# Allegro board 20250806_UNOQ.brd (continued)
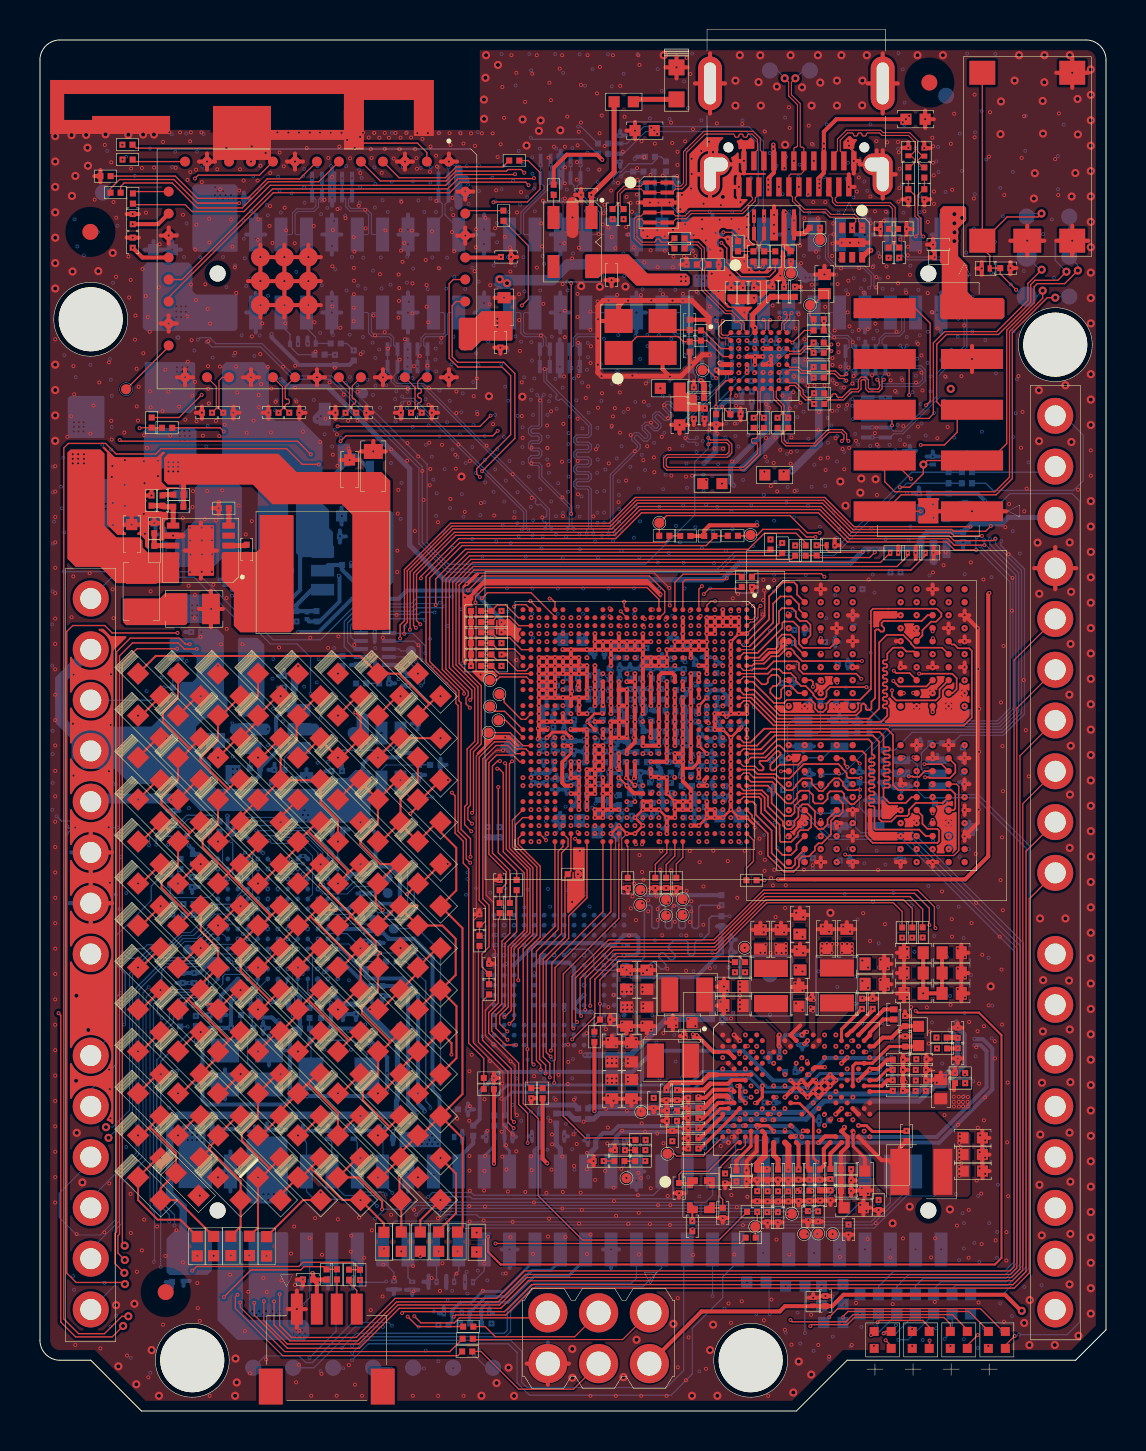
[diagram p0: board, top side]
## Routing (per net, layer and track width the routed paths; a pad name or vN(x,y) marks a point on that pad's centre or on a via; arc(x,y) is an arc through that point) (continued)
  S6 w0.064: v3(22.47,50.22) 26.26,50.22 26.34,50.3 26.34,50.89 26.52,51.07 29.93,51.07 v3(30.09,50.91)
MUX_DP_HPD: length 4.9
  TOP w0.066: SOC1.K1 31.77,41.45 32.18,41.86 34.99,41.86 R3028.2
MUX_DP_HPD_R: length 15.5
  TOP w0.066: R3028.1 35.77,41.88 39.1,41.88 v2(39.25,41.73)
  S3 w0.064: v2(39.25,41.73) 39.03,41.95 38.71,41.95 38.51,42.15 38.51,46.21 37.97,46.75 37.97,49.86 37.82,50.01 37.82,51.52 37.02,52.32 v2(36.98,52.32)
MUX_I2C_SCL_R: length 14
  TOP w0.066: R3014.2 35.51,43.78 TP3002.1 35.89,43.82 36.17,44.1 37.97,44.1 38.35,43.72 v2(38.8,43.72)
  S3 w0.064: v2(38.8,43.72) 38.8,46.23 38.15,46.88 38.15,49.9 37.97,50.08 37.97,51.63 37.02,52.58 37.02,52.74 v2(36.98,52.78)
MUX_I2C_SDA_R: length 19.2
  TOP w0.066: v2(39.01,43.93) 38.39,43.93 37.53,44.79 31.35,44.79 TP3003.1 30.99,44.43 R3015.2
  S3 w0.064: v2(37.01,53.11) 37.2,52.92 37.2,52.69 38.13,51.76 38.13,50.13 38.32,49.94 38.32,46.96 38.98,46.3 38.98,44.51 39.01,44.48 v2(39.01,43.93)
MUX_LDO_EN: length 1.1
  TOP w0.066: 25.7,60.83 25.7,60.82 U3004.3
MUX_POWER_EN: length 55.1
  TOP w0.066: SOC1.AE1 25.77,40.45 25.58,40.64 v2(25.5,40.64)
  G2 w0.191: v2(34.77,52.58) 34.8,52.58 v1(34.95,52.73)
  S3 w0.064: v3(35.05,52.53) 34.98,52.53 34.92,52.58 v2(34.77,52.58) ; v3(15.03,51.54) 14.37,50.88 14.37,50.16 16.03,48.5 16.03,45.49 18.64,42.88 20.56,42.88 22.68,40.76 25.39,40.76 v2(25.5,40.64)
  S6 w0.064: v5(35.26,52.73) v3(35.05,52.53) ; v5(15.3,51.42) 15.15,51.42 v3(15.03,51.54)
  BOTTOM w0.066: v5(35.26,52.73) 35.43,52.91 C3028.1 35.59,52.68 R3022.2 35.59,52.13 33.44,49.98 33.44,48.15 32.76,47.47 32.76,44.82 30.3,42.36 20.43,42.36 19.37,43.43 19.37,47.36 15.99,50.74 ; TP3001.1 16.01,50.74 15.99,50.74 ; 15.99,50.74 v5(15.3,51.42)
MUX_RESET_N: length 43.1
  TOP w0.066: C3027.1 38.68,55.32 TP3006.1 38.53,54.79 R3023.2 v2(38.71,54.43)
  S3 w0.064: 37.97,53.49 37.97,52.49 38.43,52.02 38.43,50.28 38.66,50.06 38.66,47.2 v3(40.08,45.78) ; 37.97,53.49 37.97,53.71 38.08,53.82 38.38,53.82 38.71,54.15 v2(38.71,54.43) ; 37.97,53.49 37.8,53.66 37.09,53.66 v2(37.02,53.59) ; v3(19.24,38.33) 19.77,38.33 19.92,38.48 v2(25.37,38.48)
  S6 w0.064: v3(40.08,45.78) 39.99,45.78 36.5,42.29 34.49,42.29 33.22,41.02 22.15,41.02 19.46,38.33 v3(19.24,38.33)
MUX_SBU1: length 4.9
  TOP w0.051: v2(35.73,59.77) U2602.1 35.73,58.61 35.88,58.46 35.88,58.19 C3019.2 34.93,58.01 R3003.2
  S3 w0.048: v2(35.73,59.77) 35.9,59.94 35.9,60.26 36.18,60.53 36.59,60.53 37.03,60.98 37.03,61.17 v2(36.97,61.23)
MUX_SBU2: length 8.2
  TOP w0.051: v2(36.23,59.77) U2602.2 36.23,58.62 36.06,58.45 36.06,58.19 C3020.2 R3004.2
  S3 w0.048: v2(36.23,59.77) 36.06,59.94 36.06,60.19 36.25,60.38 36.66,60.38 37.19,60.91 37.19,61.37 36.97,61.59 36.97,62.62 37.27,62.92 38.33,62.92 v2(38.72,62.53)
MUX_SSRXN1: length 20.1
  TOP w0.053: v2(44.2,58.75) 44.08,58.87 44.08,59.66 43.92,59.82 43.92,60.82 44.21,61.11 R2665.1 C2629.2
  S3 w0.051: v2(35.37,53.54) 35.51,53.68 35.51,53.87 35.13,54.25 35.13,55.38 35.08,55.43 34.97,55.43 34.92,55.48 34.92,55.58 34.97,55.63 35.08,55.63 35.13,55.68 35.13,55.86 v3(34.95,56.03) ; v2(44.2,58.75) 44.26,58.81 v3(44.26,59.03)
  S6 w0.051: v3(34.95,56.03) 35.13,56.21 35.13,56.54 35.41,56.82 37.23,56.82 37.74,56.31 40.03,56.31 41.73,58.02 44.29,58.02 44.7,58.42 44.7,59.41 44.55,59.56 44.22,59.56 44.08,59.42 44.08,59.2 v3(44.26,59.03)
MUX_SSRXN1_C: length 7.4
  TOP w0.053: D26102.2 44.16,62.77 ; 44.16,62.77 44.13,62.77 43.92,62.56 43.92,62.47 44.18,62.21 44.25,62.21 C2629.1 ; 44.16,62.77 43.92,63.01 43.92,63.54 43.52,63.94 42.19,63.94 42.06,64.07 40.35,64.07 39.9,63.62 39.9,63.04 39.72,62.86 JUSB1.B10
MUX_SSRXN2: length 6.6
  TOP w0.053: C2627.1 32.44,58.47 32.94,58.47 33.24,58.17 33.24,57.57 R2660.1 33.25,57.14 33.25,56.13 34.35,55.03 34.63,55.03 35.24,54.41 35.24,54.07 U3001.A3
MUX_SSRXN2_C: length 10.3
  TOP w0.053: C2627.2 31.56,58.47 31.08,58.47 31.03,58.52 31.03,58.57 30.97,58.62 30.87,58.62 30.81,58.57 30.81,58.52 30.76,58.47 30.13,58.47 29.87,58.73 29.87,59.57 29.93,59.63 30.09,59.63 30.27,59.45 U2601.5 U2601.6 31.64,59.45 31.83,59.64 32.34,59.64 32.59,59.9 35.16,59.9 35.79,60.53 35.79,60.68 35.97,60.86 JUSB1.A10
MUX_SSRXP1: length 20.3
  TOP w0.053: C2630.2 R2664.1 43.46,61.11 43.78,60.8 43.78,59.76 43.94,59.6 43.94,58.87 v2(43.82,58.75)
  S3 w0.051: v3(35.43,56.03) 35.25,55.85 35.25,54.3 35.63,53.92 35.63,53.69 v2(35.77,53.54) ; v3(43.78,59.03) 43.76,59.01 43.76,58.81 v2(43.82,58.75)
  S6 w0.051: v3(35.43,56.03) 35.25,56.21 35.25,56.49 35.46,56.7 37.18,56.7 37.69,56.19 40.08,56.19 41.78,57.89 44.35,57.89 44.82,58.37 44.82,59.46 44.6,59.68 44.17,59.68 43.96,59.47 43.96,59.21 v3(43.78,59.03)
MUX_SSRXP1_C: length 7.3
  TOP w0.053: JUSB1.B11 40.22,62.85 40.04,63.03 40.04,63.56 40.41,63.93 40.65,63.93 40.7,63.88 40.7,63.83 40.76,63.78 40.86,63.78 40.92,63.83 40.92,63.88 40.97,63.93 41.08,63.93 41.13,63.88 41.13,63.83 41.18,63.78 41.29,63.78 41.34,63.83 41.34,63.88 41.4,63.93 42.01,63.93 42.13,63.8 43.46,63.8 43.78,63.48 43.78,63.03 43.54,62.79 ; 43.54,62.79 43.58,62.79 43.78,62.59 43.78,62.48 43.51,62.21 C2630.1 ; 43.54,62.79 D26103.2
MUX_SSRXP2: length 6.6
  TOP w0.053: C2628.1 32.44,58.34 32.88,58.34 33.1,58.11 33.1,57.59 R2661.1 33.11,57.1 33.11,56.07 34.29,54.89 34.57,54.89 34.75,54.71 34.75,54.63 34.72,54.61 34.72,54.53 34.8,54.46 34.87,54.46 34.9,54.48 34.98,54.48 35.1,54.36 35.1,54.07 U3001.A2
MUX_SSRXP2_C: length 10.4
  TOP w0.053: JUSB1.A11 35.47,60.87 35.65,60.69 35.65,60.59 35.1,60.03 32.53,60.03 32.28,59.78 31.81,59.78 31.64,59.95 U2601.7 U2601.4 30.25,59.95 30.07,59.77 29.87,59.77 29.73,59.63 29.73,58.67 30.07,58.33 31.57,58.33 C2628.2
MUX_SSTXN1: length 11.5
  TOP w0.053: U3001.A5 36.3,54.07 36.3,54.48 v2(36.21,54.57)
  S3 w0.051: v2(42.46,57.69) 42.67,57.48 42.67,56.97 42.85,56.79 43.19,56.79 v3(43.38,56.6) ; v2(36.21,54.57) 36.21,54.8 v3(36.15,54.86)
  S6 w0.051: v3(36.15,54.86) 36.32,54.69 36.32,54.36 36.46,54.23 37.87,54.23 39.3,55.65 40.24,55.65 41.37,56.78 43.2,56.78 v3(43.38,56.6)
MUX_SSTXN1_C: length 6.1
  TOP w0.053: JUSB1.A3 39.47,60.86 39.65,60.68 39.65,60.48 39.83,60.3 42.49,60.3 42.65,60.14 42.65,59.32 D26105.2 42.64,58.95 42.64,58.38 C2602.1
MUX_SSTXN2: length 19.7
  S3 w0.051: v3(28.92,57.05) 29.11,57.24 29.11,58.61 28.87,58.85 28.87,59.4 v2(28.65,59.62) ; v2(36.57,53.54) 36.44,53.68 36.44,53.73 36.65,53.94 37.62,53.94 38.46,54.78 38.46,57.77 v3(38.63,57.94)
  S6 w0.051: v3(38.63,57.94) 38.45,58.12 38.45,58.35 38.1,58.7 36.56,58.7 35.84,57.98 32.44,57.98 32.05,57.59 29.33,57.59 29.11,57.37 29.11,57.23 v3(28.92,57.05)
MUX_SSTXN2_C: length 11.8
  TOP w0.053: C2603.1 28.89,60.36 28.89,60.94 29.22,61.27 30.07,61.27 30.25,61.45 U2601.1 U2601.10 31.64,61.45 31.82,61.27 32.06,61.27 32.2,61.41 32.2,63 33.22,64.01 35.69,64.01 36.04,63.66 36.04,63.07 36.22,62.89 JUSB1.B3
MUX_SSTXP1: length 11.4
  TOP w0.053: v2(36.54,54.57) 36.44,54.48 36.44,54.07 U3001.A6
  S3 w0.051: v2(36.54,54.57) 36.54,54.77 v3(36.63,54.86) ; v2(42.99,57.69) 42.79,57.48 42.79,57.02 42.9,56.91 43.21,56.91 v3(43.38,57.08)
  S6 w0.051: v3(36.63,54.86) 36.45,54.68 36.45,54.41 36.51,54.35 36.76,54.35 36.81,54.4 36.81,54.43 36.87,54.48 36.97,54.48 37.02,54.43 37.02,54.4 37.07,54.35 37.17,54.35 37.22,54.4 37.22,54.43 37.27,54.48 37.37,54.48 37.42,54.43 37.42,54.4 37.48,54.35 37.82,54.35 39.25,55.77 40.19,55.77 41.32,56.9 43.2,56.9 v3(43.38,57.08)
MUX_SSTXP1_C: length 6.1
  TOP w0.053: JUSB1.A2 39.97,60.85 39.79,60.67 39.79,60.53 39.89,60.44 42.55,60.44 42.79,60.2 42.79,59.3 D26104.2 42.78,58.95 42.78,58.41 C2601.1
MUX_SSTXP2: length 19.6
  S3 w0.051: v2(29.2,59.62) 28.99,59.41 28.99,58.9 29.23,58.66 29.23,57.22 v3(29.4,57.05) ; v2(36.17,53.54) 36.32,53.69 36.32,53.78 36.6,54.07 36.96,54.07 37.01,54.12 37.01,54.15 37.06,54.2 37.16,54.2 37.21,54.15 37.21,54.12 37.26,54.07 37.57,54.07 37.71,54.2 37.71,54.27 37.68,54.3 37.68,54.38 37.75,54.45 37.82,54.45 37.85,54.42 37.93,54.42 38.33,54.83 38.33,57.76 v3(38.15,57.94)
  S6 w0.051: v3(38.15,57.94) 38.33,58.11 38.33,58.3 38.05,58.58 36.61,58.58 35.89,57.86 32.49,57.86 32.1,57.47 29.38,57.47 29.23,57.32 29.23,57.22 v3(29.4,57.05)
MUX_SSTXP2_C: length 11.7
  TOP w0.053: C2604.1 29.03,60.29 29.03,60.88 29.28,61.13 30.07,61.13 30.25,60.95 U2601.2 U2601.9 31.62,60.95 31.8,61.13 32.12,61.13 32.34,61.35 32.34,62.94 33.27,63.87 34.7,63.87 34.76,63.82 34.76,63.77 34.81,63.72 34.92,63.72 34.97,63.77 34.97,63.82 35.02,63.87 35.13,63.87 35.18,63.82 35.18,63.77 35.24,63.72 35.34,63.72 35.4,63.77 35.4,63.82 35.45,63.87 35.63,63.87 35.9,63.6 35.9,63.08 35.72,62.9 JUSB1.B2
MUX_XTAL_IN: length 6.4
  TOP w0.066: Y3001.1 29.05,52.93 29.87,53.75 31.94,53.75 32.19,53.49 C3021.1 32.56,53.54 R3007.2 33.39,53.54 34.19,52.74 34.57,52.74 U3001.D1
MUX_XTAL_OUT: length 4
  TOP w0.066: U3001.C1 34.57,53.14 34.08,53.14 33.17,54.05 R3007.1 32.54,54.05 C3022.1 31.6,54.08 Y3001.3
OSC_16M_IN: length 4.1
  BOTTOM w0.066: R2509.2 10.62,19.79 10.62,19.21 C2522.1 10.39,18.89 10.39,17.41 Y2501.1
OSC_16M_OUT: length 2.1
  BOTTOM w0.066: R2511.2 10.06,19.81 C2523.1 10.06,18.84 Y2501.3
OSC_32K_IN: length 4.7
  BOTTOM w0.066: Y2502.2 16.36,17.85 15.67,18.54 R2512.2 C2528.1 14.07,19.15 R2514.1
OSC_32K_OUT: length 2.8
  BOTTOM w0.066: Y2502.1 13.56,18.52 R2512.1 13.51,18.57 C2527.1 13.49,19.15 R2513.2
PACK_VSNS_M: length 7.8
  TOP w0.066: v2(46.28,16.84) 46.29,16.85 R604.1
  S3 w0.064: v2(40.68,14.58) 40.78,14.67 43.87,14.67 45.2,16 46.61,16 46.76,16.15 46.76,16.49 46.58,16.67 46.35,16.67 46.28,16.74 v2(46.28,16.84)
PHONE_ON_N: length 78.3
  TOP w0.066: JBTN1.1 47.2,58.54 48.39,59.73 49.94,59.73 v6(50.11,59.9) ; JBTN1.1 JBTN1.2 ; JBTN1.1 47.15,58.17 47.52,57.8 D26009.2 47.54,57.17 C2605.1 48.05,56.88 v2(48.84,56.08)
  S3 w0.064: v2(48.84,56.08) 48.84,55.04 48.71,54.9 48.71,51.71 49.24,51.18 49.24,21.6 48.44,20.8 48.44,9.71 v3(47.47,8.74) ; v3(38.58,14.74) 38.19,15.13 v2(37.28,15.13)
  S6 w0.064: v3(47.47,8.74) 46.86,9.35 43.54,9.35 43.01,9.87 41.97,9.87 40.82,11.02 40.82,11.98 38.58,14.22 v3(38.58,14.74)
  BOTTOM w0.066: TP2614.1 49.37,59.83 49.44,59.9 v6(50.11,59.9)
PM_AVDD_BYP: length 4.7
  S3 w0.064: v2(31.78,14.95) 31.8,14.95 31.8,14.96 32.1,14.66 32.74,14.66 32.76,14.68 32.77,14.68 33.04,14.95 33.54,14.95 34.6,16.01 34.89,16.01 35.24,16.36 35.48,16.36 v2(35.58,16.26)
PM_DVDD_BYP: length 5
  S3 w0.064: v2(31.85,14.5) 32.62,14.5 32.74,14.38 33.04,14.38 33.1,14.32 33.43,14.32 33.63,14.52 33.63,14.71 34.79,15.87 34.92,15.87 35.23,16.18 35.4,16.18 35.51,16.07 35.51,16.07 35.6,15.98 v2(35.86,15.98)
PM_REF_BYP: length 5.3
  TOP w0.066: C716.1 v2(31.64,13.51)
  S3 w0.06: 31.64,13.51 v2(31.64,13.51)
  S3 w0.064: 31.64,13.51 31.88,13.51 32.03,13.36 32.84,13.36 32.85,13.37 33.27,13.37 33.57,13.67 33.57,14.07 34.63,15.13 34.63,15.28 34.95,15.6 35.48,15.6 v2(35.58,15.7)
PM_RESIN_N: length 93.8
  TOP w0.066: v2(41.17,42.96) 39.49,42.96 39.36,43.09 D26008.2 39.36,43.3 v2(38.86,43.3) ; v2(43.49,50.82) 43.49,52.38 43.25,52.62 JCTL1.8 ; PMIC1.N9 v2(36.52,15.41)
  S3 w0.064: v3(38.84,42.34) 38.86,42.36 v2(38.86,43.3) ; v2(41.17,42.96) 41.5,42.96 42.72,44.18 42.72,45.64 42.34,46.02 42.34,49.49 43.49,50.64 v2(43.49,50.82) ; v2(36.52,15.41) v3(36.25,15.41)
  S6 w0.064: v3(38.84,42.34) 38.81,42.34 38.73,42.42 37.41,42.42 36.6,41.61 34.72,41.61 33.32,40.21 22.45,40.21 20.29,38.05 20.29,13.78 24.31,9.76 24.31,8.61 24.64,8.28 35.56,8.28 35.88,8.6 38.72,8.6 39.85,9.73 39.85,11.68 38.87,12.66 38.86,12.66 38.56,12.96 38.56,12.98 37.71,13.83 37.71,15.98 37.56,16.13 36.1,16.13 35.89,15.93 35.89,15.6 36.07,15.41 v3(36.25,15.41)
PM_XTAL_IN: length 4.9
  TOP w0.066: Y701.3 33.51,10.16 C702.1 34.16,10.58 34.01,10.73 34.01,12.18 34.91,13.08 35.09,13.08 35.3,13.29 35.3,13.72 PMIC1.W5
PM_XTAL_OUT: length 4.8
  TOP w0.066: PMIC1.Y4 34.9,13.43 33.45,11.99 32.14,11.99 31.98,11.83 C701.1 32.63,11.4 Y701.1
PMIC_FORCED_USB_BOOT: length 4
  S3 w0.064: v2(34.77,21.95) 35.05,21.67 35.61,21.67 35.66,21.62 35.66,19.18 v2(35.29,18.81)
PMIC_PWM_TP: length 5.6
  S3 w0.064: v2(35.26,23.17) 36.14,22.29 v2(36.14,17.96)
PON_OPTION: length 4.5
  TOP w0.066: PMIC1.R9 v2(36.58,14.85)
  S3 w0.06: v2(36.58,14.85) 36.73,14.85 36.86,14.72 36.86,14.23 36.94,14.15 ; v2(36.4,10.99) 36.4,11.03
  S3 w0.064: 36.94,14.15 36.94,13.05 36.67,12.78 36.67,11.29 36.4,11.03
PS_HOLD: length 32.5
  TOP w0.066: R706.2 33.97,8.55 27.15,8.55 24.93,10.77 24.93,14.63 24.18,15.38 24.18,23.12 24.86,23.8 24.86,27.22 23.79,28.29 23.79,29.32 24.15,29.68 24.57,29.68 SOC1.AH27
PS_HOLD_R: length 7.1
  TOP w0.066: R709.1 35.79,8.69 TP706.1 35.89,9.32 v2(35.89,9.96)
  S3 w0.064: v2(36.73,15.14) 36.7,15.11 36.56,15.11 36.08,14.63 36.08,12.37 35.95,12.24 35.95,11.2 36.07,11.07 36.07,10.15 v2(35.89,9.96)
PWR_3P3V: length 192.8
  TOP w0.203: 13.67,6.58 13.85,6.39 QWIIC1.2 ; 13.67,6.58 R2613.1 ; 13.67,6.58 C2610.1 13.67,6.87 v2(13.64,6.9)
  TOP w0.254: R2735.1 28.73,61.98 v2(27.58,60.83) 27.6,60.82 U3004.1
  S3 w0.203: v2(16.01,6.56) 15.74,6.29 14.25,6.29 v2(13.64,6.9) 13.47,7.07 13.47,7.74 13.78,8.05 v3(14.35,8.05) ; v2(47.45,3.25) v2(45.55,3.25) v2(43.64,3.25) 43.63,3.25 43.62,3.26 v2(41.73,3.26) 41.37,3.26 v3(41.27,3.35) ; v3(27.2,65.35) 27.58,64.96 v2(27.58,60.83)
  V4 w0.203: 1.49,38.1 JANALOG1.2 ; JANALOG1.2 3.59,38.1 ; JANALOG1.2 2.54,37.05 ; v3(14.35,8.05) 14.72,8.42 23.83,8.42 25.16,9.75 31.52,9.75 37.92,3.35 v3(41.27,3.35) ; JANALOG1.4 3.59,33.02 ; JANALOG1.4 2.54,34.07 ; JANALOG1.4 2.54,31.97 ; JANALOG1.4 1.49,33.02
  S6 w0.203: v5(9.09,22.42) 9.12,22.42 9.35,22.2 v3(9.35,22.15) ; v5(8.9,27.11) 8.65,27.36 v3(7.98,27.36) v5(7.65,27.36) ; v3(7.69,25.15) v5(7.69,24.82) 7.9,24.61 v5(8.9,24.61) ; v5(18.9,14.94) v3(18.9,15.34) ; v5(18.96,32.92) 18.57,33.31 18.57,36.21 v5(18.97,36.61) ; v4(32.38,11.86) v3(32.38,11.56) ; v5(10.9,27.61) 10.72,27.43 v3(10.64,27.43) ; v5(8.08,38.96) v3(7.52,38.96) ; v5(13.31,29.57) 13.31,28.57 13.16,28.42 v5(13.16,27.76) ; v5(11.53,20.45) 11.4,20.32 v3(11.4,20.17) ; 47.14,47.83 v5(47.24,47.73) ; v5(7.72,21.92) v3(7.44,21.92)
  S6 w1: 27.47,65.51 28.67,65.51 31.76,62.42 31.76,60.15 32.33,59.59 34.85,59.59 36.11,60.84 40.48,60.84 41.3,60.02 43.21,60.02 44.31,61.12 46.53,61.12 47.14,60.51 47.14,45.67 v5(47.29,45.52)
  G7 w0.203: JANALOG1.2 2.54,39.15 ; JANALOG1.2 2.54,37.05 ; JANALOG1.2 3.59,38.1 ; JANALOG1.2 1.49,38.1 ; v5(35.32,13.54) 34.92,13.14 v5(33.28,13.14) 32.59,13.14 32.38,12.93 v4(32.38,11.86) ; v5(9.09,22.42) 9.4,22.11 v5(9.9,22.11) ; 1.49,33.02 JANALOG1.4 ; JANALOG1.4 3.59,33.02 ; JANALOG1.4 2.54,34.07 ; v5(14.4,21.61) 14.58,21.79 14.58,22.29 v5(14.9,22.61)
  G7 w1: v5(9.29,60.83) 9.29,61.9 10.57,63.18 22.5,63.18 23.21,63.9 23.21,65.11 23.66,65.55 v4(25.39,65.55) v4(25.62,65.55)
  BOTTOM w0.203: C2518.1 v5(7.72,21.92) 7.98,21.92 8.67,22.61 MCU1.N3 v5(9.09,22.42) ; v5(14.9,22.61) 15.01,22.61 16.36,21.26 C2503.1 C2505.1 17.88,21.26 18.41,20.73 18.41,15.42 v5(18.9,14.94) ; 44.48,45.66 C2529.1 45.46,45.89 R2643.1 46.91,45.9 v5(47.29,45.52) ; 44.48,45.66 44.71,45.43 U2501.5 ; 44.48,45.66 44.06,45.23 U2501.4 ; C2616.1 6.81,38.25 ; R2666.1 v5(33.28,13.14) ; C2508.1 v5(7.69,24.82) ; v5(11.53,20.45) C2506.1 11.9,20.46 MCU1.G1 ; R2642.1 46.99,47.47 v5(47.24,47.73) ; v5(18.96,32.92) 18.16,32.92 17.94,32.7 16.48,32.7 16.15,32.37 16.15,31.48 U1102.6 ; MCU1.A8 15.43,25.11 15.7,25.37 C2504.1 C2513.1 17.81,25.37 18.01,25.58 18.01,26.77 17.55,27.23 16.79,27.23 ; 16.79,27.23 16.43,26.87 C2509.1 15.62,26.87 15.36,26.61 MCU1.A11 ; 16.79,27.23 16.79,28.92 15.98,29.73 ; v5(18.97,36.61) 18.78,36.8 C1102.1 17.91,37.32 U1101.11 ; MCU1.E13 13.05,27.76 v5(13.16,27.76) 13.25,27.76 MCU1.D13
  BOTTOM w0.524: JANALOG1.4 1.02,34.54 1.02,36.58 JANALOG1.2
  vias: v3(9.04,61.28) v3(9.4,61.45) v3(9.43,61.09) v3(9.76,61.48) v3(9.81,61.12) v3(10.91,4.46) v3(11.11,4.13) v3(11.33,4.46) v3(11.53,4.12) v3(11.75,4.46) v3(11.98,4.13) v3(12.19,4.45) v3(12.88,30.02) v3(12.95,29.59) v3(13.33,20.55) v3(13.31,20.12) v3(26.42,65.73) v3(26.79,65.74) v3(26.81,65.36) v3(27.21,65.72) v4(8.76,61.22) v4(8.76,60.83) v4(8.88,61.01) v4(8.9,60.65) v4(9.03,60.84) v4(9.15,61.01) v4(9.16,60.65) v4(9.42,60.65) v4(9.56,60.83) v4(9.7,60.65) v4(10.63,4.97) v4(10.82,4.81) v4(10.96,4.98) v4(11.15,4.82) v4(11.31,4.98) v4(11.5,4.82) v4(11.65,4.98) v4(11.84,4.82) v4(11.99,4.98) v4(12.18,4.82) v4(13.23,30.05) v4(13.16,29.82) v4(13.41,29.79) v4(25.4,65.79) v4(25.39,65.32) v4(25.62,65.79) v4(25.62,65.32) v4(25.85,65.8) v4(25.85,65.56) v4(25.84,65.33) v4(26.08,65.8) v4(26.08,65.56) v4(26.07,65.33) v5(8.76,61.22) v5(8.76,60.83) v5(8.88,61.01) v5(8.9,60.65) v5(9.03,60.84) v5(9.15,61.01) v5(9.16,60.65) v5(9.42,60.65) v5(9.56,60.83) v5(9.7,60.65) v5(10.63,4.97) v5(10.82,4.81) v5(10.96,4.98) v5(11.15,4.82) v5(11.31,4.98) v5(11.5,4.82) v5(11.65,4.98) v5(11.84,4.82) v5(11.99,4.98) v5(12.18,4.82) v5(13.23,30.05) v5(13.16,29.82) v5(13.41,29.79)
PWR_3P8V: length 17.7
  S6 w0.203: v3(15.29,42.32) 15.45,42.32 v5(15.56,42.43) ; v5(9.95,42.88) 11.22,41.61 v3(14.63,41.61) 14.79,41.61 v5(14.96,41.77) ; v3(13.16,36.93) 13.01,36.78 v5(12.73,36.78)
  BOTTOM w0.203: v5(9.65,31.84) 9.91,31.58 10.79,31.58 11.01,31.8 R2804.1 11.81,32.95 11.81,34.67 12.19,35.05 U2802.4 12.73,35.3 C2806.1 v5(12.73,36.78) ; 13.36,39.6 13.47,39.5 C2803.1 14,39.5 14.99,40.49 14.99,41.74 v5(14.96,41.77)
  vias: v3(12.77,37.55) v3(13.04,37.27) v4(9.64,32.1) v4(9.95,43.34) v4(9.95,43.12) v4(9.88,32.12) v4(9.88,31.84) v4(12.71,36.56) v4(12.87,36.97) v4(12.92,36.62) v5(9.64,32.1) v5(9.95,43.34) v5(9.95,43.12) v5(9.88,32.12) v5(9.88,31.84) v5(12.71,36.56) v5(12.87,36.97) v5(12.92,36.62)
QCA_SB_CLK: length 45.3
  TOP w0.066: R2902.1 3.53,61.15 3.98,61.6 6.7,61.6 7.88,60.42 v2(9.97,60.42)
  S3 w0.064: v2(9.97,60.42) 10.16,60.23 10.16,50.03 9.68,49.54 9.68,46.84 11.52,45 11.52,39.73 14.43,36.82 17.23,36.82 17.77,36.28 21.57,36.28 v2(24.97,32.88)
QCA_SB_CLK_R: length 12.8
  TOP w0.066: U2901.6 13.95,61.49 11.43,61.49 10.12,60.18 7.86,60.18 6.61,61.43 4.21,61.43 4.03,61.25 R2902.2
QCA_SB_DATA: length 39.6
  S3 w0.064: v2(10.56,62.5) 10.56,49.98 9.93,49.35 9.93,46.96 11.7,45.2 11.7,39.83 14.52,37.01 17.34,37.01 17.86,36.49 21.64,36.49 24.85,33.28 v2(24.97,33.28)
QREFS_CXO_REXT: length 1.8
  TOP w0.066: R1601.1 29.41,28.23 29.37,28.27 SOC1.T30
QUIET_THERM: length 1.2
  S3 w0.064: v2(39.6,14.63) 39.59,14.64 39.59,14.97 v3(39.42,15.14)
  S6 w0.064: v3(39.42,15.14) 39.42,14.58 v5(39.47,14.53)
RESOUT_N: length 13.3
  TOP w0.066: v2(23.93,21.55) 23.93,23.11 24.66,23.84 24.66,27.18 23.64,28.2 23.64,29.55 SOC1.AJ26
  S3 w0.064: v2(23.93,21.55) 25.2,21.55 26.1,22.45 v3(26.36,22.45)
  S6 w0.066: v5(27.22,22.8) 26.87,22.45 v3(26.36,22.45)
RFCLK1_TP: length 3.2
  TOP w0.066: PMIC1.W1 33.2,12.75 31.86,12.75 31.74,12.87 TP701.1
RFCLK2: length 5.5
  S3 w0.064: v2(30.3,13.06) 30.68,13.06 31.3,12.44 32.62,12.44 32.63,12.43 33.65,12.43 34.25,13.03 34.25,13.18 34.25,13.18 34.25,13.8 v2(34.45,14)
RFCLK3_TP: length 8.1
  S3 w0.064: v2(35.02,14.66) 34.95,14.66 34.83,14.54 34.83,12.87 33.92,11.97 30.85,11.97 30.71,12.12 29.62,12.12 29.34,11.84 v2(29.34,11.66)
RTC_SLEEP_CLK: length 69.2
  TOP w0.066: v2(4.99,49.16) 5.01,49.19 R2903.1 5.6,49.18 R1204.1
  S3 w0.064: v2(36.71,17.39) 36.65,17.46 30.77,17.46 29.3,15.99 21.79,15.99 18.87,13.07 7.89,13.07 4.9,16.06 4.9,49.08 v2(4.99,49.16)
RTC_SLEEP_CLK_R: length 18.4
  TOP w0.066: R2903.2 6.95,49.69 v2(8.09,50.83) ; v2(7.75,61.65) 7.92,61.82 10.98,61.82 U2901.9
  S3 w0.064: v2(8.09,50.83) 8.09,56.1 7.9,56.29 7.9,57.65 8.16,57.91 8.16,59.48 7.75,59.89 v2(7.75,61.65)
SBU1_AUXP: length 5.5
  TOP w0.051: v2(35.83,57.23) 35.7,57.36 35.7,57.5
  S3 w0.048: v2(35.83,57.23) 35.91,57.14 35.91,56.87 35.82,56.77 34.78,56.77 34.44,56.43 34.44,55.23 34.68,54.98 34.68,54.08 34.98,53.78 34.98,53.6 v2(34.93,53.54)
SBU2_AUXN: length 6
  TOP w0.051: v2(36.16,57.23) 36.24,57.31 36.24,57.5
  S3 w0.048: v2(34.93,53.14) 35.14,53.35 35.14,53.84 34.84,54.15 34.84,55.05 34.59,55.29 34.59,56.37 34.84,56.62 35.88,56.62 36.07,56.8 36.07,57.14 v2(36.16,57.23)
SD_CARD_DET_N_TP: length 2.2
  TOP w0.066: TP1315.1 22.85,36.56 23.01,36.72 24.34,36.72 24.57,36.49 SOC1.AH10
SDC1_CLK: length 19
  TOP w0.066: R1207.2 v2(36.25,26.55)
  S3 w0.079: v2(36.25,26.55) 36.4,26.4 36.4,24.75 32.93,21.28 32.93,20.84 32.85,20.75 32.69,20.75 32.62,20.83 32.62,21.44 32.54,21.52 32.38,21.52 32.3,21.44 32.3,20.81 32.23,20.74 32.07,20.74 31.99,20.82 31.99,21.44 31.91,21.52 31.75,21.52 31.67,21.44 31.67,20.81 31.6,20.74 31.44,20.74 31.36,20.82 31.36,21.44 31.28,21.52 31.12,21.52 31.04,21.44 31.04,20.81 30.97,20.74 30.81,20.74 30.73,20.82 30.73,21.44 30.65,21.52 29.57,21.52 29.25,21.2 28.55,21.2 v3(28.2,20.85)
  S6 w0.064: v3(28.2,20.85) 28.2,22.28 v5(28.22,22.3)
SDC1_CLK_TR: length 2.6
  TOP w0.066: SOC1.A29 35.37,28.88 35.7,28.55 35.7,27.5 35.35,27.15 35.35,26.55 R1207.1
SDC1_CMD: length 22
  S3 w0.064: 33.86,29.23 34.09,29.46 34.44,29.46 34.57,29.59 v2(34.57,29.68)
  S3 w0.079: v3(34.05,25.6) 34.05,27.75 33.86,27.94 33.86,29.23
  S6 w0.079: v5(34.1,25.3) 34.1,25.6 v3(34.05,25.6)
  BOTTOM w0.084: EMMC1.M5 28.47,22.56 30.11,22.56 30.24,22.69 30.24,25.17 30.37,25.3 30.53,25.3 30.62,25.21 30.62,24.22 30.7,24.14 30.87,24.14 30.95,24.22 30.95,25.21 31.04,25.3 31.2,25.3 31.29,25.21 31.29,24.22 31.37,24.14 31.54,24.14 31.62,24.22 31.62,25.21 31.71,25.3 31.87,25.3 31.96,25.21 31.96,24.22 32.04,24.14 32.21,24.14 32.29,24.22 32.29,25.21 32.38,25.3 32.54,25.3 32.63,25.21 32.63,24.22 32.71,24.14 32.88,24.14 32.96,24.22 32.96,25.21 33.05,25.3 R2114.2
SDC1_DATA_0: length 22.5
  S3 w0.064: 35.44,28.52 35.43,28.52 35.15,28.8 35.15,29.1 v2(34.97,29.28)
  S3 w0.079: v3(26.83,20.73) 27.53,20.73 28.2,21.4 29.15,21.4 29.45,21.7 32.77,21.7 35.75,24.68 35.75,28.21 35.44,28.52
  S6 w0.079: v5(22.82,23.82) 22.4,23.39 22.4,22.25 24.16,20.49 26.59,20.49 v3(26.83,20.73)
SDC1_DATA_1: length 21.2
  S3 w0.079: v2(34.97,28.88) 34.97,28.75 35.55,28.17 35.55,24.75 32.68,21.89 29.34,21.89 29.05,21.6 28.05,21.6 27.5,21.05 v3(26.42,21.05)
  S6 w0.079: v5(22.82,23.31) 22.6,23.09 22.6,22.4 24.33,20.67 24.55,20.67 24.63,20.75 24.63,20.79 24.71,20.87 24.87,20.87 24.95,20.79 24.95,20.75 25.02,20.67 25.18,20.67 25.26,20.75 25.26,20.79 25.34,20.87 25.5,20.87 25.58,20.79 25.58,20.75 25.65,20.67 26.03,20.67 v3(26.42,21.05)
SDC1_DATA_2: length 20.9
  S3 w0.079: v3(25.93,21.07) 25.93,21.25 26.05,21.37 27.53,21.37 27.96,21.8 29,21.8 29.25,22.05 32.55,22.05 35.35,24.85 35.35,28 34.97,28.38 v2(34.97,28.48)
  S6 w0.079: v5(22.82,22.8) 22.82,22.53 23.41,21.94 23.52,21.94 23.7,22.12 23.81,22.12 23.92,22.01 23.92,21.9 23.74,21.72 23.74,21.61 23.85,21.5 23.96,21.5 24.14,21.68 24.25,21.68 24.36,21.57 24.36,21.46 24.18,21.28 24.18,21.17 24.28,21.07 24.42,21.07 24.49,21.15 24.49,21.27 24.57,21.35 24.73,21.35 24.81,21.27 24.81,21.15 24.89,21.07 25.04,21.07 25.12,21.15 25.12,21.27 25.2,21.35 25.36,21.35 25.44,21.27 25.44,21.15 25.52,21.07 v3(25.93,21.07)
SDC1_DATA_3: length 21.8
  S3 w0.064: v2(34.57,29.28) 34.76,29.09
  S3 w0.079: 34.76,29.09 34.76,28.34 35.15,27.95 35.15,24.95 32.43,22.23 30.52,22.23 30.44,22.3 30.44,22.42 30.36,22.5 30.21,22.5 30.13,22.42 30.13,22.3 30.05,22.23 29.89,22.23 29.81,22.3 29.81,22.42 29.74,22.5 29.58,22.5 29.5,22.42 29.5,22.3 29.42,22.23 29.12,22.23 28.9,22 27.72,22 v3(27.44,21.72)
  S6 w0.079: v3(27.44,21.72) 27.44,24.13 26.69,24.88 24.91,24.88 24.01,23.98 23.54,23.98 v5(23.22,24.3)
SDC1_DATA_4: length 21.7
  S3 w0.079: v2(34.57,28.88) 34.36,28.67 34.36,28.24 34.75,27.85 34.75,25.05 32.85,23.15 30.32,23.15 30.24,23.07 30.24,22.95 30.17,22.87 30.01,22.87 29.93,22.95 29.93,23.07 29.85,23.15 29.55,23.15 28.8,22.4 27.24,22.4 v3(26.54,21.7)
  S6 w0.079: v3(26.54,21.7) 26.45,21.7 26.03,22.12 26.03,22.71 26.37,23.05 26.72,23.05 26.94,23.27 26.94,24.12 26.62,24.45 24.98,24.45 24.08,23.55 23.47,23.55 v5(23.22,23.8)
SDC1_DATA_5: length 22.3
  S3 w0.064: v2(34.57,28.48) 34.57,28.29
  S3 w0.079: v3(26.99,21.72) 27.47,22.2 28.85,22.2 29.31,22.66 30.67,22.66 30.75,22.74 30.75,22.88 30.83,22.95 30.99,22.95 31.07,22.88 31.07,22.74 31.15,22.66 31.3,22.66 31.38,22.74 31.38,22.88 31.46,22.95 31.62,22.95 31.7,22.88 31.7,22.74 31.78,22.66 31.93,22.66 32.01,22.74 32.01,22.88 32.09,22.95 32.25,22.95 32.33,22.88 32.33,22.74 32.4,22.66 32.61,22.66 34.95,25 34.95,27.91 34.57,28.29
  S6 w0.079: v5(23.22,23.3) 24.17,23.3 25.11,24.24 26.51,24.24 26.72,24.03 26.72,23.44 26.6,23.32 26.31,23.32 25.81,22.82 25.81,21.99 26.43,21.37 26.64,21.37 v3(26.99,21.72)
SDC1_DATA_6: length 21.3
  S3 w0.064: 34.03,28.63 33.99,28.68 33.99,28.81 33.98,28.81 33.98,28.96 33.99,28.96 33.99,29.1 v2(34.17,29.28)
  S3 w0.079: 34.03,28.63 34.03,28.02 34.35,27.7 34.35,25.2 32.7,23.55 29.4,23.55 28.65,22.8 25.8,22.8 v3(25.15,22.15)
  S6 w0.079: v3(25.15,22.15) 25.15,22.68 25.75,23.28 25.75,23.46 25.84,23.55 26.44,23.55 26.51,23.62 26.51,23.93 26.44,24 25.26,24 24.12,22.86 23.28,22.86 v5(23.22,22.8)
SDC1_DATA_7: length 21
  S3 w0.064: 34.38,24.97 34.39,24.97
  S3 w0.079: 34.38,24.97 32.77,23.35 29.5,23.35 28.75,22.6 26.9,22.6 25.85,21.55 v3(25.7,21.55) ; 34.39,24.97 34.55,25.13 34.55,27.77 34.2,28.12 34.2,28.85 v2(34.17,28.88)
  S6 w0.079: v5(23.32,22.38) 23.32,22.53 23.4,22.61 23.63,22.61 23.84,22.4 23.95,22.4 25.17,23.62 25.28,23.62 25.39,23.51 25.39,23.39 24.18,22.18 24.18,22.07 24.53,21.71 25.54,21.71 v3(25.7,21.55)
  BOTTOM w0.084: v5(23.32,22.38) 23.24,22.3 EMMC1.B6
SDC1_RCLK: length 20.6
  S3 w0.079: v3(36.1,24.9) 36,24.9 36,28.25 35.56,28.69 35.56,29.09 v2(35.37,29.28)
  S6 w0.064: v5(34.5,24.75) 34.5,24.75 35.85,24.75
  S6 w0.079: 35.85,24.75 36,24.9 v3(36.1,24.9)
  BOTTOM w0.084: v5(34.5,24.75) 34.5,24.75 R2113.1 33.61,24.75 33.47,24.61 33.47,23.89 33.1,23.53 32.87,23.53 32.76,23.42 32.76,22.88 32.68,22.79 32.51,22.79 32.43,22.88 32.43,23.43 32.33,23.53 31.69,23.53 31.44,23.27 31.44,23.16 31.79,22.81 31.79,22.69 31.67,22.57 31.55,22.57 31.2,22.92 31.09,22.92 30.97,22.8 30.97,22.68 31.31,22.33 31.31,22.22 31.2,22.1 31.08,22.1 30.73,22.44 30.61,22.44 30.22,22.05 27.85,22.05 27.7,22.2 27.7,22.8 27.4,23.1 26.52,23.1 EMMC1.H5
SLEEP_CLK: length 31.8
  TOP w0.066: R1204.2 9.01,49.18 v2(9.19,49)
  G2 w0.066: v2(23.76,30.73) 23.97,30.52 24.41,30.52 24.57,30.36 v1(24.57,30.08)
  S3 w0.064: v2(9.19,49) 9.19,46.6 11.13,44.66 11.13,39.47 12.22,38.38 12.22,36.1 14.15,34.18 19.27,34.18 22.72,30.73 v2(23.76,30.73)
SM_LNBBCLK1: length 19.4
  TOP w0.05: 28.97,28.33 28.97,28.88 SOC1.U29
  TOP w0.066: 28.97,28.33 28.96,28.33 28.96,24.64 26.18,21.86 26.18,14.75 27.27,13.66 29.7,13.66 R702.1
